# Altium PCB FMC_ADC_100M_10B_16CHA_TDC.PcbDoc (part 11 of 12) (continued)
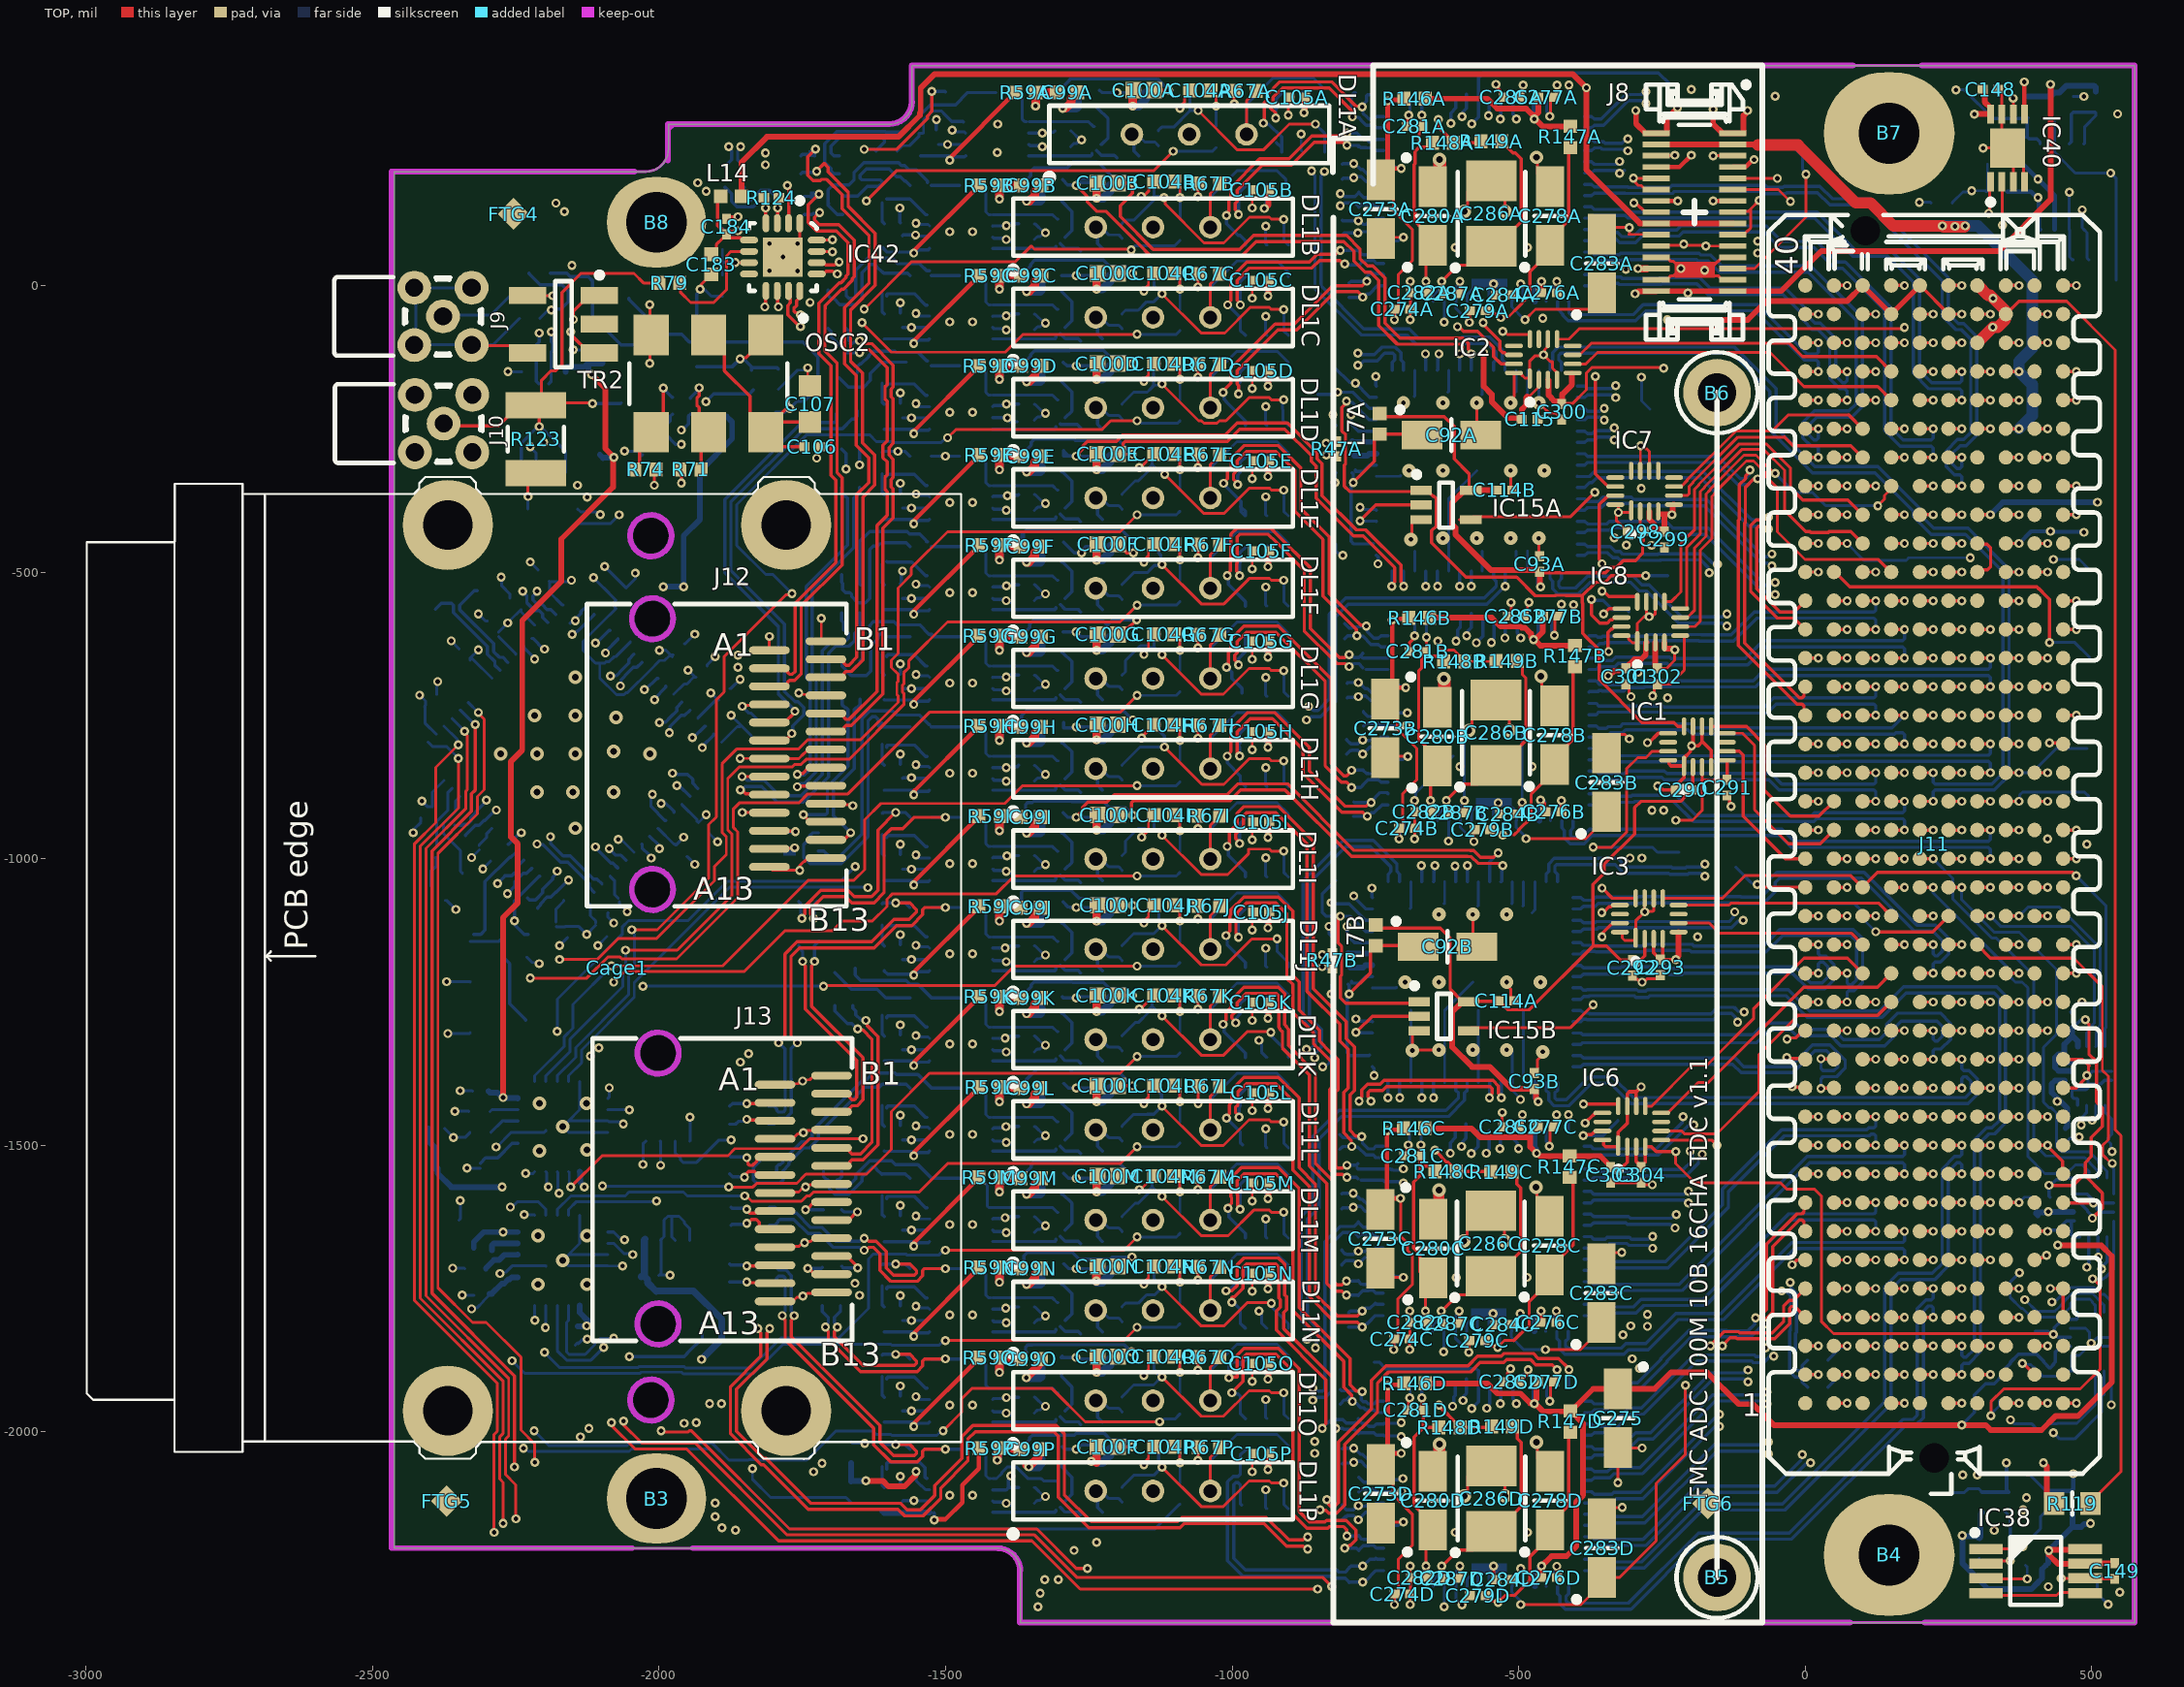
[diagram p0: TOP view]
## Nets (pads, with @x,y where several pads share a name; then routed paths per layer and width w, separated by ;. In a path a pad name is that pad's centre, name@x,y a point inside that pad or via, vN(x,y) a via of type N, cw(c..) or ccw(c..) an arc to the next point about the centre after c; other vN are vias at no path point) (continued)
  BOTTOM w5.71: v1(-2067.51,-698.68) -2066.54,-697.71 -2066.54,-687.83 -2053.41,-674.7 -2045.06,-666.35 -2038.71,-666.35 IC34.44@-2029.89,-657.52 ; R145B.2@-771.02,-742.98 -771.02,-743.77 -762.73,-752.05 -754.81,-752.05 -753.63,-753.24 -744.79,-753.24 -740.3,-748.75 -720.25,-748.75 -717.09,-745.59 -694.92,-745.59 v1@-694.25,-746.25
REFCLKB_P: IC34.43 IC50B.40 R145B.1 | length 1647
  L2 w4: v1(-2084.97,-681.23) -2085.23,-681.49 -2085.23,-692.58 -2091.39,-698.74 -2091.39,-709.51 -2054.3,-746.6 -1963.13,-746.6 -1935.8,-773.93 -1848.21,-773.93 -1840.96,-766.68 -1762.37,-766.68 -1756.25,-772.8 -1362.8,-772.8 -1341.43,-794.16 -1268.98,-794.16 -1246.62,-816.52 -1150.5,-816.52 -1109.07,-775.1 -982.88,-775.1 -976.17,-781.8 -840.98,-781.8 -820.24,-761.06 -704.43,-761.06 -697.96,-767.53 v1(-696.21,-767.53)
  BOTTOM w5.71: v1(-2084.97,-681.23) -2083.99,-680.25 -2074.11,-680.25 -2064.12,-670.26 -2052.63,-658.77 -2052.63,-652.43 IC34.43@-2043.81,-643.6 ; R145B.1@-771.02,-768.97 -766,-763.95 -744.79,-763.95 -740.3,-768.44 -708.8,-768.44 -707.97,-767.61 -699.24,-767.61 v1@-697.24,-769.61
REFCLKC_N: IC34.50 IC50C.41 R145C.2 | length 2840.5
  L3 w4: v1(-1982.03,-780.23) -1982.29,-780.5 -1993.38,-780.5 -1996.9,-784.01 -1996.9,-794.38 -1932.98,-858.3 -1932.98,-929.06 -1913.53,-948.5 -1913.53,-1615.52 -1896.03,-1633.02 -1896.03,-1942.74 -1891.11,-1947.66 v1(-1891.11,-1950.84)
  L2 w4: v1(-1891.11,-1950.84) -1891.11,-1954.02 -1896.03,-1958.94 -1896.03,-1966 -1840.65,-2021.38 -1725.7,-2021.38 -1700.4,-1996.08 -1579.54,-1996.08 -1569.98,-2005.64 -1549.47,-2005.64 -1513.23,-1969.4 -1462.32,-1969.4 -1429.4,-2002.32 -1097.12,-2002.32 -1069.46,-1974.66 -931.88,-1974.66 -886.93,-1929.71 -867.54,-1929.71 -861.66,-1923.83 v1(-859.32,-1923.83)
  BOTTOM w5.71: v1(-1982.03,-780.23) -1981.05,-779.26 -1981.05,-769.38 -1968.91,-757.23 -1961.54,-749.86 -1955.19,-749.86 IC34.50@-1946.37,-741.04 ; v1(-859.32,-1923.83) -856.61,-1923.83 -851.59,-1928.85 -842.09,-1928.85 -838.26,-1925.02 -838.26,-1909.29 -837.89,-1908.93 -837.89,-1668.43 -811.03,-1641.56 -786.66,-1641.56 R145C.2@-779.81,-1634.71 ; R145C.2@-779.81,-1633.93 R145C.2@-779.81,-1634.71 ; IC50C.41@-736.62,-1639.7 -749.09,-1639.7 -753.58,-1644.18 -762.42,-1644.18 -763.6,-1643 -771.52,-1643 R145C.2@-779.81,-1634.71
REFCLKC_P: IC34.49 IC50C.40 R145C.1 | length 2862.6
  L3 w4: v1(-1999.48,-762.78) -1999.75,-763.04 -1999.75,-774.13 -2005.9,-780.29 -2005.9,-798.11 -1941.98,-862.03 -1941.98,-932.78 -1922.53,-952.23 -1922.53,-1619.25 -1905.03,-1636.75 -1905.03,-1942.62 -1911.86,-1949.45 v1(-1911.86,-1950.84)
  L2 w4: v1(-1911.86,-1950.84) -1911.86,-1952.23 -1905.03,-1959.06 -1905.03,-1969.73 -1844.38,-2030.38 -1721.98,-2030.38 -1696.67,-2005.08 -1583.27,-2005.08 -1573.71,-2014.64 -1545.74,-2014.64 -1509.5,-1978.4 -1466.05,-1978.4 -1433.13,-2011.32 -1093.4,-2011.32 -1065.73,-1983.66 -928.15,-1983.66 -883.2,-1938.71 -867.54,-1938.71 -861.66,-1944.58 v1(-859.32,-1944.58)
  BOTTOM w5.71: v1(-1999.48,-762.78) -1998.51,-761.8 -1988.63,-761.8 -1979.62,-752.79 -1969.11,-742.29 -1969.11,-735.94 IC34.49@-1960.29,-727.12 ; v1(-859.32,-1944.58) -856.61,-1944.58 -851.59,-1939.56 -837.65,-1939.56 -827.55,-1929.45 -827.55,-1913.73 -827.18,-1913.36 -827.18,-1672.87 -806.59,-1652.28 -786.66,-1652.28 -779.81,-1659.12 R145C.1@-779.81,-1659.91 -774.79,-1654.9 -753.58,-1654.9 -749.09,-1659.38 IC50C.40@-736.62,-1659.38
REFCLKD_N: IC34.59 IC50D.41 R145D.2 | length 2706.5
  L3 w4: v1(-1968.9,-872.65) -1970.94,-872.65 -1977.12,-866.48 -1984.97,-866.48 -1987.31,-868.82 -1987.31,-878.98 -1972.58,-893.71 -1972.58,-968.19 -1953.12,-987.65 -1953.12,-1202.14 -2055.51,-1304.54 -2055.51,-1372.47 -1939.4,-1488.58 -1939.4,-1751.8 -1926.14,-1765.05 -1926.14,-1840.04 -1940.47,-1854.36 -1940.47,-1909.88 -1946.75,-1916.16 -1946.75,-1946.46 -1941.74,-1951.47 -1941.74,-1967.21 -1941.23,-1967.72 -1941.23,-1975.73 -1935.14,-1981.81 v1(-1935.14,-1983.94)
  L2 w4: v1(-1935.14,-1983.94) -1932.9,-1986.19 -1932.9,-1995.09 -1928.09,-1999.9 -1922.33,-1999.9 -1843.29,-2078.93 -1839.46,-2078.93 -1783.38,-2135.01 -1549.35,-2135.01 -1544.42,-2130.08 -1409.79,-2130.08 -1397.94,-2141.93 -1189.12,-2141.93 -1174.32,-2156.74 -911.17,-2156.74 -842.32,-2087.89 -710.35,-2087.89 -703.88,-2081.41 v1(-702.13,-2081.41)
  BOTTOM w5.71: v1@-1964.26,-873.48 IC34.59@-1946.37,-891.37 ; R145D.2@-778.89,-2078.81 -778.89,-2079.6 -770.61,-2087.88 -762.69,-2087.88 -761.51,-2089.07 -752.67,-2089.07 -748.18,-2084.58 IC50D.41@-735.7,-2084.58 -734.54,-2083.41 -710.39,-2083.41
REFCLKD_P: IC34.58 IC50D.40 R145D.1 | length 2761.8
  L3 w4: v1(-1976.52,-851) -1978.25,-851 -1984.73,-857.48 -1988.69,-857.48 -1996.31,-865.09 -1996.31,-882.71 -1981.58,-897.44 -1981.58,-971.92 -1962.12,-991.38 -1962.12,-1198.42 -2064.51,-1300.81 -2064.51,-1376.19 -1948.4,-1492.31 -1948.4,-1755.53 -1935.14,-1768.78 -1935.14,-1836.31 -1949.47,-1850.63 -1949.47,-1906.15 -1955.75,-1912.44 -1955.75,-1950.19 -1950.74,-1955.2 -1950.74,-1970.94 -1950.23,-1971.45 -1950.23,-1976.77 -1956.31,-1982.85 v1(-1956.31,-1984.99)
  L2 w4: v1(-1956.31,-1984.99) -1956.31,-1988.17 -1952.59,-1991.88 -1952.59,-1992.89 -1933.1,-2012.38 -1922.57,-2012.38 -1847.02,-2087.93 -1843.18,-2087.93 -1787.11,-2144.01 -1545.62,-2144.01 -1540.69,-2139.08 -1413.52,-2139.08 -1401.66,-2150.93 -1192.85,-2150.93 -1178.05,-2165.74 -907.44,-2165.74 -838.59,-2096.89 -712.31,-2096.89 -705.84,-2103.36 v1(-704.09,-2103.36)
  BOTTOM w5.71: -1968.15,-852.98 -1950.17,-852.98 -1941.28,-861.87 -1941.28,-868.63 IC34.58@-1932.45,-877.45 ; R145D.1@-778.89,-2104.79 -773.88,-2099.78 -752.67,-2099.78 -748.18,-2104.27 IC50D.40@-735.7,-2104.27 -706.28,-2104.27 v1@-705.12,-2105.43
RF2: C113.2 J9.1 | length 130.6
  BOTTOM w5: J9.1@-2368.63,-34.07 -2350.69,-52 -2294.04,-52 -2260.36,-18.32 C113.2@-2259.37,-18.32
RF_AUX_N: IC34.29 TP24.1 | length 179.6
  BOTTOM w5.71: TP24.1@-2316.92,-532.59 -2322.3,-532.59 -2344.39,-554.68 -2344.6,-554.68 -2347.94,-558.03 -2347.94,-565.89 -2288.91,-624.93 -2288.91,-638.7 -2278.9,-648.7 -2272.56,-648.7 IC34.29@-2263.74,-657.52
RF_AUX_P: IC34.28 TP23.1 | length 184.1
  BOTTOM w5.71: TP23.1@-2390.16,-565.01 -2379.83,-554.68 -2362,-554.68 -2358.65,-558.03 -2358.65,-570.33 -2299.62,-629.37 -2299.62,-643.13 -2286.48,-656.28 -2286.48,-662.62 IC34.28@-2277.65,-671.44
RVDD33A: C278A.1 C279A.1 IC50A.23 R147A.2 | length 404.2
  TOP w5: C279A.1@-555.51,-45.13 -551.12,-49.52 -540.39,-49.52 -533.95,-55.96 -531.89,-55.96 v1(-531.04,-55.96) -518.9,-55.96 -507.09,-44.15
  TOP w5.71: -507.87,-44.15 -480.72,-17 -480.72,23.75 -457.09,47.39 C278A.1@-457.09,70.03 ; C278A.1@-441.34,70.03 -441.34,84.79 -412.81,113.32 -412.81,237.53 R147A.2@-409.84,240.5
  BOTTOM w5: v1(-531.04,-55.96) IC50A.23@-531.01,-28.31
RVDD33B: C278B.1 C279B.1 IC50B.23 R147B.2 | length 399.4
  TOP w5: C279B.1@-547.64,-950.64 -543.25,-955.03 -534.54,-955.03 -530.86,-958.72 v1(-527.95,-958.72) ; v1@-524.01,-961.47 -524.01,-959.74 -522.99,-958.72 -508.27,-958.72 -499.21,-949.66
  TOP w5.71: -500,-949.66 -478.27,-927.93 -478.27,-887.18 -449.21,-858.12 C278B.1@-449.21,-835.49 ; C278B.1@-433.46,-835.49 -433.46,-820.72 -404.94,-792.2 -404.94,-667.98 R147B.2@-401.97,-665.01
  BOTTOM w5: v1(-527.95,-958.72) -527.95,-955.81 -524.4,-952.26 -524.4,-935.1 IC50B.23@-523.1,-933.79
RVDD33C: C278C.1 C279C.1 IC50C.23 R147C.2 | length 409.8
  TOP w5: C279C.1@-556.43,-1841.59 -547.66,-1850.36 -538.8,-1850.36 v1(-536.74,-1852.42) ; v1@-532.8,-1852.41 -533.23,-1851.99 -533.23,-1848.9 -524.93,-1840.6 -508.79,-1840.6 -508,-1840.6
  TOP w5.71: -508.79,-1840.6 -481.64,-1813.45 -481.64,-1772.71 -458,-1749.07 C278C.1@-458,-1726.43 ; C278C.1@-442.25,-1726.43 -442.25,-1711.67 -404.94,-1674.35 -404.94,-1561.78 R147C.2@-410.76,-1555.96
  BOTTOM w5: v1(-536.74,-1852.42) -536.74,-1849.51 -533.19,-1845.96 -533.19,-1826.04 IC50C.23@-531.89,-1824.74
RVDD33D: C278D.1 C279D.1 IC50D.23 R147D.2 | length 390.2
  TOP w5: C279D.1@-555.51,-2286.47 -546.74,-2295.24 -537.88,-2295.24 v1(-535.83,-2297.3) ; v1@-531.89,-2297.3 -532.32,-2296.87 -532.32,-2293.79 -524.02,-2285.49 -507.09,-2285.49
  TOP w5.71: -507.88,-2285.49 -480.73,-2258.34 -480.73,-2217.59 -457.09,-2193.95 C278D.1@-457.09,-2171.31 ; C278D.1@-441.34,-2156.55 -412.81,-2128.02 -412.81,-2003.81 R147D.2@-409.84,-2000.84
  BOTTOM w5: v1(-535.83,-2297.3) -535.83,-2294.39 -532.28,-2290.84 -532.28,-2270.92 IC50D.23@-530.98,-2269.62
SCL: B15.1 IC40.6 J11.c30 R114.2 R116.1 | length 2721.3
  TOP w5: IC40.6@362.84,298.92 v1(362.84,326.48)
  TOP w5.71: J11.c30@350,-500 v1(373,-500)
  L3 w5: v1(351.01,-2053.71) 351.01,-1993.75 342.63,-1985.37 342.63,-1884.6 447.63,-1779.6 447.63,-1727.37 453.75,-1721.24 453.75,-1692.27 456.1,-1689.92 456.1,-1643.53 455.64,-1643.06 455.64,-1407.07 453.25,-1404.69 453.25,-1017.4 388.37,-952.52 388.37,-743.63 357.63,-712.88 357.63,-515.37 v1(373,-500) 343.05,-470.05 343.05,-15.96 328.7,-1.61 328.7,112.96 362.84,147.1 v1(362.84,326.48)
  BOTTOM w5: B15.1@253.52,-2108.75 256.55,-2105.72 277.77,-2105.72 284.03,-2099.46 303.07,-2099.46 R116.1@308.54,-2104.93
  BOTTOM w7: R116.1@308.54,-2104.93 R114.2@354.93,-2104.93 351.01,-2101.01 v1(351.01,-2053.71)
SDA: B14.1 IC40.5 J11.c31 R113.2 R115.1 | length 2862.7
  TOP w5.71: J11.c31@350,-450 v1(373,-450)
  TOP w7: v1(382,355) 382.26,354.74 382.26,299.18 IC40.5@382.52,298.92
  L3 w5: v1(382,355) 438.37,298.63 438.37,-417.63 428,-428.01 v1(428,-429)
  L3 w7: v1(467.56,-2073) 467.56,-1978.6 489.37,-1956.78 489.37,-1861.77 479.71,-1852.1 479.71,-1733.55 474.75,-1728.6 474.75,-1706.03 487.14,-1693.64 489.37,-1693.64 519.05,-1663.97 519.05,-1584.36 474.75,-1540.07 474.75,-1512.17 519.05,-1467.88 519.05,-463.48 v1(486.26,-430.7)
  BOTTOM w5: B14.1@386,-2075 391.79,-2075 R113.2@419.76,-2102.97
  BOTTOM w7: v1(373,-450) 394,-429 426.3,-429 428,-430.7 428.85,-429.85 485.41,-429.85 v1(486.26,-430.7) ; R113.2@419.76,-2102.97 464.05,-2102.97 467.56,-2099.46 v1(467.56,-2073)
TDC_INT0: IC2.14 IC50A.55 | length 529.3
  TOP w5.71: v1(-562,-65) -560.08,-66.92 -560.08,-70.17 -533,-97.25 -533,-111.9 -527.73,-117.17 -524.53,-117.17 -520.58,-121.13 IC2.14@-508.18,-121.13
  L3 w5.71: v1(-598.81,294.43) -598.81,201.26 -614.55,185.53 -614.55,113.12 -576.31,74.88 -576.31,-50.69 -565.15,-61.85 -565.15,-68.15 -562.51,-70.78 -562.51,-69.64 -562.02,-69.14 v1(-562,-65)
  BOTTOM w5.71: v1(-598.81,294.43) -596.89,296.35 -596.89,302.77 -590.94,308.72 IC50A.55@-590.94,333.63
TDC_INT1: IC8.12 IC50B.55 | length 445.1
  TOP w5.71: v1(-354.72,-533.52) -352.01,-533.52 -342.72,-542.81 -294.02,-542.81 -293.02,-543.81 IC8.12@-293.02,-551.76
  L2 w5.71: v1(-590.94,-611.08) -590.94,-628.71 -570.32,-649.33 -439.13,-649.33 -397.89,-608.09 -397.89,-604.04 -367.75,-573.9 -367.75,-566.81 -354.72,-553.78 v1(-354.72,-533.52)
  BOTTOM w5.71: v1(-590.94,-611.08) -589.02,-609.16 -589.02,-602.74 -583.07,-596.79 IC50B.55@-583.07,-571.88
TDC_INT2: IC6.13 IC50C.55 | length 312.9
  TOP w6: v1(-383.95,-1461.38) -383.95,-1460.56 -370.72,-1447.33 -370.09,-1447.33 -366.28,-1443.52 IC6.13@-353.96,-1443.52
  L2 w5.71: v1(-599.73,-1502.02) -579.1,-1481.39 -408.15,-1481.39 -394.16,-1467.39 -392.68,-1467.39 -386.67,-1461.38 v1(-383.95,-1461.38)
  BOTTOM w5.71: v1(-599.73,-1502.02) -597.81,-1500.1 -597.81,-1493.69 -591.86,-1487.73 IC50C.55@-591.86,-1462.83
TDC_INT3: IC4.15 IC50D.55 | length 1470.8
  L2 w5.71: v1(-597.19,-1945.27) -582.54,-1930.62 -393.16,-1930.62 -389.31,-1934.48 -202.65,-1934.48 -199.34,-1931.17 -96.04,-1931.17 -79.48,-1914.6 -30.99,-1914.6 -11.32,-1934.27 379.52,-1934.27 410.98,-1965.73 479.52,-1965.73 488.73,-1956.52 488.73,-1857.31 483.26,-1851.83 483.26,-1723.39 491.13,-1715.53 v1(491.13,-1712.81)
  BOTTOM w5.71: v1(-597.19,-1945.27) -596.9,-1944.98 -596.9,-1938.57 -590.95,-1932.62 IC50D.55@-590.95,-1907.71 ; v1(491.13,-1712.81) 491.13,-1710.1 494.8,-1706.42 IC4.15@494.8,-1659.75
TDC_INT_VADJ0: IC2.7 J11.g37 | length 585
  TOP w5: IC2.7@-405.82,-121.13 -393.58,-121.13 -373.56,-101.11 ; -373,-101 -373.46,-101 -373.56,-101.11 ; -4.13,-124.29 -27.32,-101.11 -373.56,-101.11
  TOP w5.71: -4.13,-124.29 124.29,-124.29 J11.g37@150,-150
TDC_INT_VADJ1: IC8.9 J11.h32 | length 622.6
  TOP w5: IC8.9@-245.77,-551.76 -234.34,-551.76 -217.2,-534.63 -217.2,-450.2 -193,-426 -193,-355.4 -185.75,-348.14 -185.75,-346.88 -115.17,-276.3 -68.04,-276.3 -26,-318.34 -26,-352.42 -4.2,-374.23
  TOP w5.71: -4.2,-374.23 74.23,-374.23 J11.h32@100,-400
TDC_INT_VADJ2: IC6.8 J11.g16 | length 502.5
  TOP w5: IC6.8@-251.6,-1443.52 -239.79,-1443.52 -186.94,-1390.67 -169.1,-1390.67 -2.58,-1224.16
  TOP w5.71: -2.58,-1224.16 125.84,-1224.16 J11.g16@150,-1200
TDC_INT_VADJ3: IC4.6 J11.f19 | length 709.8
  TOP w5.71: J11.f19@200,-1050 v1(223,-1050)
  BOTTOM w5: v1(223,-1050) 223,-1059.94 357.63,-1194.57 357.63,-1206.37 366.63,-1215.37 378.43,-1215.37 388.37,-1225.32 388.37,-1519.45 418.3,-1549.37 437.17,-1549.37 439.52,-1547.03 458.4,-1547.03 471.29,-1534.14 483.79,-1534.14 494.8,-1545.15 IC4.6@494.8,-1557.38
TDC_MISO: B28.1 IC9.14 IC34.24 IC50A.59 IC50B.59 IC50C.59 IC50D.59 | length 7950.6
  TOP w5: v1(-2315.36,-745.05) -2315.36,-746.65 -2305.29,-756.72 -2305.29,-879.8 -2316.88,-891.4 -2316.88,-921.82 -2385.85,-990.79 -2385.85,-1748.55 -2325.29,-1809.11 -2301.49,-1809.11 -2240.93,-1869.67 -2240.93,-1996.8 -2216.93,-2020.8 v1(-2216.93,-2053.2)
  L3 w5: v1(-1901.97,-2124.07) -1900.27,-2125.76 -1728.13,-2125.76 -1718.38,-2135.51 -1549.14,-2135.51 -1541.5,-2127.87 -1412.71,-2127.87 -1390.98,-2149.59 -1370.68,-2149.59 -1313.53,-2206.75 v1(-1275.98,-2206.75) ; v1(-504.33,-1950.84) -504.33,-1901.39 -498.93,-1895.99 -498.93,-1813.54 -512.74,-1799.73 -512.74,-1696.64 -495.62,-1679.52 -495.62,-1513.64 -500.39,-1508.87 v1(-500.39,-1505.96) ; v1(-504.33,290.5) -504.33,64.03 -481.08,40.78 -481.08,6.19 -473.63,-1.26 -473.63,-66.37 -484.27,-77.02 -484.27,-531.83 -478.48,-537.63 -475.63,-537.63 -466.63,-546.63 -466.63,-559.37 -469.27,-562.02 -469.27,-587.83 -493.7,-612.26 v1@-496.46,-612.26 ; v1@-504.02,-1502.02 -504.02,-1483.67 -478.06,-1457.71 -478.06,-1439.37 -481.63,-1435.8 -481.63,-1196.62 -471.63,-1186.62 -471.63,-958.63 -477.37,-952.88 -477.37,-896.88 -492.14,-882.11 -492.14,-801.83 -486.83,-796.51 -486.83,-627.13 -496.45,-617.51 v1(-496.45,-615.01) ; v1(358,-1979) 369,-1990 369,-2125 v1(380,-2136)
  L2 w5: v1(-2216.93,-2053.2) -2050.62,-2053.2 -2036.34,-2038.93 -1972.33,-2038.93 -1927.07,-2084.19 -1927.07,-2102.91 -1909.81,-2120.17 ; v1(-1275.98,-2206.75) -1259.86,-2222.87 -1042.91,-2222.87 -1036.07,-2229.71 -808.7,-2229.71 -786.11,-2207.12 -232.04,-2207.12 -164.66,-2139.74 95.73,-2139.74 108.28,-2127.2 187.55,-2127.2 196.35,-2136 v1(380,-2136) ; v1(-504.33,-1950.84) -488.96,-1966.21 -316.77,-1966.21 -295.39,-1944.83 -198.36,-1944.83 -197.63,-1944.11 -95.39,-1944.11 -73.04,-1966.45 278.29,-1966.45 288.12,-1956.63 335.63,-1956.63 v1(358,-1979)
  BOTTOM w5: IC34.24@-2333.33,-727.12 v1(-2315.36,-745.05) ; v1(358,-1979) 365.16,-1986.16 395.53,-1986.16 403.8,-1994.43 418.15,-1994.43 426.6,-1985.98 439.34,-1985.98 440.16,-1985.16 473.73,-1985.16 505.81,-1953.07 IC9.14@505.81,-1894
  BOTTOM w5.71: IC50C.59@-512.21,-1474.34 -512.21,-1485.86 -502.31,-1495.75 -502.31,-1504.04 v1(-500.39,-1505.96) ; IC50D.59@-511.29,-1919.23 -510.13,-1920.39 -510.13,-1942.33 -504.33,-1948.13 v1(-504.33,-1950.84) ; IC50A.59@-511.29,322.11 -510.12,320.95 -510.12,299.01 -504.33,293.21 v1(-504.33,290.5) ; IC50B.59@-503.42,-583.4 -502.25,-584.57 -502.25,-606.5 -496.45,-612.3 v1(-496.45,-615.01)
TDC_MOSI: B27.1 IC4.12 IC34.23 IC50A.58 IC50B.58 IC50C.58 IC50D.58 | length 8396
  TOP w5: v1(324,-1972) 324,-1947.58 346.58,-1924.99 480.05,-1924.99 514.36,-1890.68 514.36,-1745.12 502.26,-1733.01 v1(501.19,-1733.01)
  TOP w5.71: v1(-2320.66,-765.8) -2320.66,-880.53 -2327.23,-887.11 -2327.23,-917.53 -2396.2,-986.5 -2396.2,-1758.38 -2252.03,-1902.55 -2252.03,-2011.5 -2252.36,-2011.83 v1(-2252.36,-2061.08)
  L3 w5: v1(-531.89,-1950.84) -559.99,-1922.74 -559.99,-1675.12 -541.05,-1656.19 -541.05,-1538.72 -532.8,-1530.47 v1(-532.8,-1505.96) -566.5,-1472.27 -566.5,-1361.39 -540.38,-1335.26 -540.38,-1046.03 -509.37,-1015.03 -509.37,-804.92 -496.83,-792.37 -496.83,-642.2 v1(-524.01,-615.01) -500.4,-591.39 -500.4,-561.95 -497.88,-559.44 -497.88,-507.94 -533.49,-472.34 -533.49,-196.78 -502.63,-165.92 -502.63,-68.12 -505.67,-65.07 -505.67,-9.43 -518.32,3.22 -518.32,85.85 -543.33,110.86 -543.33,279.06 v1(-531.89,290.5) ; v1(324,-1972) 324,-2163.17 329.92,-2169.09 v1(329.92,-2172)
  L3 w5.71: v1(-1901.97,-2147.69) -1879.3,-2147.69 -1877.19,-2145.58 -1722.95,-2145.58 -1722.67,-2145.86 -1544.85,-2145.86 -1537.21,-2138.22 -1417,-2138.22 -1395.27,-2159.95 -1374.97,-2159.95 -1303.55,-2231.38 v1(-1303.55,-2257.93)
  L2 w5: v1(-531.89,-1950.84) -506.52,-1976.21 -312.63,-1976.21 -291.24,-1954.83 -194.22,-1954.83 -193.49,-1954.11 -99.53,-1954.11 -71.94,-1981.7 237.29,-1981.7 259.06,-2003.47 292.53,-2003.47 320.49,-1975.51 v1@323.06,-1975.51
  L2 w5.71: v1(-2252.36,-2061.08) -2231.3,-2061.08 -2223.44,-2068.93 -2109.86,-2068.93 -2104.48,-2063.56 -2046.33,-2063.56 -2032.05,-2049.28 -1976.62,-2049.28 -1937.42,-2088.48 -1937.42,-2112.23 v1(-1901.97,-2147.69) ; v1(-1303.55,-2257.93) -1062.21,-2257.93 -1058.29,-2254.01 -819.67,-2254.01 -796.08,-2277.59 -762.44,-2277.59 -736.42,-2251.57 -505.38,-2251.57 -502.97,-2253.97 -234.85,-2253.97 -146.26,-2165.38 101.04,-2165.38 118.54,-2147.88 173.97,-2147.88 191.48,-2165.38 267.37,-2165.38 267.48,-2165.27 293.98,-2165.27 300.71,-2172 v1@329.23,-2172
  BOTTOM w5: v1(324,-1972) 324,-1969.09 338.73,-1954.36 B27.1@338.73,-1945.58 ; v1(501.19,-1733.01) 502.11,-1733.94 519.06,-1733.94 522.1,-1730.9 523.37,-1730.9 538.1,-1716.16 IC4.12@538.1,-1632.19
  BOTTOM w5.71: IC34.23@-2347.25,-741.04 -2346.34,-741.04 -2321.58,-765.8 v1(-2320.66,-765.8) ; v1(-532.8,-1505.96) -532.35,-1505.5 -532.35,-1474.8 IC50C.58@-531.89,-1474.34 ; v1(-531.89,-1950.84) -531.43,-1950.38 -531.43,-1919.68 IC50D.58@-530.98,-1919.23 ; v1(-531.89,290.5) -531.43,290.95 -531.43,321.66 IC50A.58@-530.97,322.11 ; v1(-524.01,-615.01) -523.56,-614.56 -523.56,-583.86 IC50B.58@-523.1,-583.4
TDC_PAR0: IC2.15 IC50A.54 | length 559.5
  TOP w5.71: v1(-607,-72) -604.28,-72 -596.04,-80.25 -571.74,-80.25 -543.71,-108.27 -543.71,-123.96 -530.8,-136.87 IC2.15@-508.18,-136.87
  L3 w5.71: v1(-618.5,282.62) -618.5,196.72 -625.26,189.96 -625.26,108.68 -587.02,70.44 -587.02,0.52 -607,-19.46 v1(-607,-72)
  BOTTOM w5.71: v1(-618.5,282.62) -618.5,300.85 -609.72,309.64 IC50A.54@-609.72,322.11
TDC_PAR1: IC8.13 IC50B.54 | length 400.1
  TOP w5.71: v1(-352.02,-573.32) -342.27,-563.58 IC8.13@-320.58,-563.58
  L2 w5.71: v1(-609.5,-620.34) -609.5,-623.06 -601.65,-630.91 -601.65,-633.15 -574.76,-660.04 -407.6,-660.04 -378.71,-631.16 -378.71,-600.02 v1(-352.02,-573.32)
  BOTTOM w5.71: v1@-606.67,-614.99 -606.67,-600.71 -601.84,-595.88 IC50B.54@-601.84,-583.4
TDC_PAR2: IC6.12 IC50C.54 | length 392
  TOP w6: v1(-387,-1428) -327.27,-1428 -326.4,-1428.87 IC6.12@-326.4,-1431.71
  L2 w5.71: v1(-619.42,-1513.83) -617.5,-1511.91 -617.5,-1497.54 -590.63,-1470.67 -414.77,-1470.67 -397.52,-1453.42 -397.52,-1440.74 -387,-1430.22 v1(-387,-1428)
  BOTTOM w5.71: v1(-619.42,-1513.83) -619.42,-1495.61 -610.63,-1486.82 IC50C.54@-610.63,-1474.34
TDC_PAR3: IC4.14 IC50D.54 | length 1659.2
  L2 w5.71: v1(-615.26,-1955.46) -568.02,-2002.7 -568.02,-2009.2 -522.7,-2054.52 -57.74,-2054.52 -26.98,-2023.76 147.91,-2023.76 203.1,-2078.95 248.81,-2078.95 293.21,-2034.54 484.33,-2034.54 549.6,-1969.27 549.6,-1725.88 520.52,-1696.8 513.21,-1696.8 v1(511.29,-1694.88)
  BOTTOM w5.71: v1(-615.26,-1955.46) -613.34,-1953.54 -613.34,-1939.18 -610.88,-1936.72 -610.88,-1920.39 IC50D.54@-609.72,-1919.23 ; IC4.14@510.55,-1659.75 510.92,-1660.12 510.92,-1694.51 v1(511.29,-1694.88)
TDC_PAR_VADJ0: IC2.6 J11.g36 | length 598.5
  TOP w5: IC2.6@-405.82,-136.87 -382.57,-136.87 -362.7,-117 -356,-117 ; -356,-116.86 -61.57,-116.86 -2.03,-176.39
  TOP w5.71: -2.03,-176.39 126.39,-176.39 J11.g36@150,-200
TDC_PAR_VADJ1: IC8.8 J11.h31 | length 648.4
  TOP w5: IC8.8@-218.21,-563.58 -208.53,-563.58 -207.2,-562.25 -207.2,-457.57 -183,-433.37 -183,-359.54 -175.75,-352.28 -175.75,-351.02 -111.03,-286.3 -72.18,-286.3 -36,-322.48 -36,-392.42
  TOP w5.71: -36,-392.42 -20.45,-407.97 -20.45,-408.47 0.62,-429.55 8.47,-429.55 9.62,-430.7 40.38,-430.7 41.53,-429.55 79.55,-429.55 J11.h31@100,-450
TDC_PAR_VADJ2: IC6.9 J11.h16 | length 507.3
  TOP w5: IC6.9@-279.16,-1431.71 -268.13,-1431.71 -196.56,-1360.13 -171.36,-1360.13 -89.84,-1278.61 -89.84,-1261.42 -1.7,-1173.28
  TOP w5.71: -1.7,-1173.28 73.28,-1173.28 J11.h16@100,-1200
TDC_PAR_VADJ3: IC4.7 J11.f20 | length 742
  TOP w5.71: J11.f20@200,-1000 v1(223,-1000)
  BOTTOM w5: v1(223,-1000) 257.63,-1034.63 257.63,-1070.51 325.62,-1138.5 333.25,-1138.5 398.37,-1203.63 398.37,-1497.12 419.88,-1518.63 440.37,-1518.63 443.33,-1521.59 487.78,-1521.59 496.55,-1530.36 496.55,-1531.15 510.55,-1545.15 IC4.7@510.55,-1557.38
TDC_SCK: B29.1 IC9.13 IC34.22 IC50A.57 IC50B.57 IC50C.57 IC50D.57 | length 8360.9
  TOP w5: v1(-2339.42,-777.61) -2339.42,-780.52 -2334.72,-785.22 -2334.72,-879.95 -2337.59,-882.82 -2337.59,-913.24 -2406.56,-982.21 -2406.56,-1762.67 -2262.39,-1906.84 -2262.39,-2007.21 -2267.74,-2012.56 -2267.74,-2074.44 -2249.93,-2092.25 v1(-2249.93,-2151.63)
  L3 w5: v1(-1890.15,-2167.38) -1887.25,-2167.38 -1877.92,-2158.05 -1875.01,-2158.05 -1872.91,-2155.94 -1840.34,-2155.94 -1825.97,-2170.31 -1379.26,-2170.31 -1327.17,-2222.41 v1(-1327.17,-2257.93) ; v1(-555.51,-1958.71) -569.99,-1944.24 -569.99,-1527.39 v1(-556.43,-1513.83) -576.5,-1493.76 -576.5,-1357.24 -551.2,-1331.95 -551.2,-949.81 -520.45,-919.06 -520.45,-799.43 -547.64,-772.24 v1(-547.64,-622.89) -545.95,-621.2 -545.95,-119.69 -512.63,-86.37 -512.63,-72.26 -515.67,-69.22 -515.67,-13.57 -528.32,-0.92 -528.32,81.71 -553.33,106.71 -553.33,295.66 v1(-552.64,296.35) ; v1(424,-2270) 424,-2229.76 440.37,-2213.39 440.37,-2011.67 432.97,-2004.26 v1(432.97,-2001.35)
  L2 w5: v1(-2249.93,-2151.63) -2066.05,-2151.63 -2034.92,-2182.75 -1971.68,-2182.75 -1956.31,-2167.38 v1(-1890.15,-2167.38) ; v1(-1327.17,-2257.93) -1299.92,-2285.17 -1031.26,-2285.17 -1026.71,-2289.72 -759.92,-2289.72 -732.13,-2261.92 -509.67,-2261.92 -507.26,-2264.33 -230.56,-2264.33 -173.35,-2207.12 -21.76,-2207.12 52.46,-2281.35 202.95,-2281.35 243.16,-2241.13 395.13,-2241.13 v1(424,-2270) ; v1(-555.51,-1958.71) -515.77,-1998.46 -451.52,-1998.46 -438.66,-2011.32 -128.42,-2011.32 -108.8,-1991.7 233.15,-1991.7 254.92,-2013.47 420.85,-2013.47 v1(432.97,-2001.35)
  BOTTOM w5: IC34.22@-2361.17,-754.96 -2361.17,-755.41 -2339.42,-777.16 v1(-2339.42,-777.61) ; v1(432.97,-2001.35) 443.96,-2012.34 B29.1@468.57,-2012.34 470.09,-2012.34 517.25,-1965.18 517.25,-1938.31 521.56,-1934 IC9.13@521.56,-1894
  BOTTOM w5.71: v1(-556.43,-1513.83) -556.43,-1511.12 -551.58,-1506.27 IC50C.57@-551.58,-1474.34 ; v1(-555.51,-1958.71) -555.51,-1956 -550.66,-1951.15 IC50D.57@-550.66,-1919.23 ; v1(-552.64,296.35) -551.65,297.34 -551.65,321.12 IC50A.57@-550.66,322.11 ; v1(-547.64,-622.89) -547.64,-620.17 -542.79,-615.32 IC50B.57@-542.79,-583.4
TDC_SSN0: B18.1 IC2.12 IC50A.56 | length 868.8
  TOP w5: v1(-528,-80) -525.09,-80 -519.73,-85.36 -481.95,-85.36 -481,-86.31 IC2.12@-481,-90
  L3 w5: v1(-581.84,282.07) -581.84,143.35 -575.57,137.08 -575.57,100.67 -564.04,89.14 -564.04,1.7 -546.63,-15.72 -546.63,-62.12 -528.74,-80 v1(-528,-80)
  BOTTOM w5.71: v1(-581.84,282.07) -581.84,282.34 -570.34,293.83 IC50A.56@-570.34,322.11 -570.34,362.04 -561.43,370.95 -256.38,370.95 B18.1@-236.37,350.93
TDC_SSN1: B9.1 IC8.14 IC50B.56 | length 465.2
  TOP w5.71: v1(-373.15,-547.58) -373.15,-574.43 -358.53,-589.05 -345.5,-589.05 -339.73,-583.28 -336.93,-583.28 -332.97,-579.32 IC8.14@-320.58,-579.32
  L2 w5.71: v1(-573.96,-623.44) -558.79,-638.62 -443.56,-638.62 -410.03,-605.08 -410.03,-599.3 -378.46,-567.74 -378.46,-562.37 -375.07,-558.98 -375.07,-549.5 v1(-373.15,-547.58)
  BOTTOM w5.71: v1(-573.96,-623.44) -573.96,-623.18 -562.47,-611.68 IC50B.56@-562.47,-583.4 ; v1(-373.15,-547.58) -371.48,-549.25 -352.99,-549.25 -336.37,-565.87 -311.49,-565.87 B9.1@-308.12,-569.24
TDC_SSN2: B10.1 IC6.15 IC50C.56 | length 378.4
  TOP w6: v1(-387.64,-1483.12) -385.77,-1481.26 -373.15,-1481.26 -370.72,-1478.82 -370.09,-1478.82 -366.28,-1475.01 IC6.15@-353.96,-1475.01
  L2 w5.71: v1(-582.76,-1514.39) -567.58,-1529.56 -426.72,-1529.56 -408.14,-1510.98 -408.14,-1503.62 v1(-387.64,-1483.12)
  BOTTOM w5.71: v1(-582.76,-1514.39) -582.76,-1514.12 -571.26,-1502.63 IC50C.56@-571.26,-1474.34 ; v1(-387.64,-1483.12) -353.02,-1483.12 B10.1@-326.9,-1457
TDC_SSN3: B21.1 IC4.13 IC50D.56 | length 1751
  L2 w5.71: v1(-581.84,-1959.27) -497.31,-2043.8 -146.26,-2043.8 -104.51,-2002.06 228.86,-2002.06 250.63,-2023.83 436.57,-2023.83 529.73,-1930.67 529.73,-1728.26 v1(517,-1715.53)
  BOTTOM w5.71: B21.1@-752.36,-1878.42 -743.39,-1878.42 -732.19,-1889.62 -574.16,-1889.62 -570.35,-1893.43 IC50D.56@-570.35,-1919.23 -570.35,-1947.51 -581.84,-1959 v1(-581.84,-1959.27) ; v1(517,-1715.53) 517,-1712.81 527.02,-1702.79 527.02,-1685.93 526.29,-1685.21 IC4.13@526.29,-1659.75
TDI: J11.d30 J11.d31 | length 86.5
  TOP w5.71: J11.d30@300,-500 303.86,-496.14 317.69,-496.14 323.47,-490.36 323.47,-458.12 316.89,-451.54 301.54,-451.54 J11.d31@300,-450
TEMP_ALARM: IC38.3 IC39.3 J8.9 R105.1 | length 6609.9
  TOP w5: J8.9@-126.38,186.95 -126.33,186.9 -48.79,186.9 v1(-48.74,186.85) ; IC38.3@315.43,-2255.52 316.41,-2256.51 v1(387.28,-2256.51)
  L3 w5: v1(-1874.26,-1490.76) -1866.54,-1498.48 -1866.54,-1562.95 -1862.97,-1566.52 -1862.97,-1579.26 -1866.54,-1582.82 -1866.54,-1632.59 -1874.78,-1640.83 -1874.78,-1949.48 -1723.5,-2100.76 -1580.9,-2100.76 -1569.9,-2089.76 -1550.64,-2089.76 -1541.34,-2080.47 -1440.69,-2080.47 -1428.96,-2092.2 -1383.68,-2092.2 -1347.7,-2128.18 -1301.36,-2128.18 v1(-1236.73,-2192.81) ; v1(-52.35,330.3) -50.54,328.5 -50.54,188.65 v1(-48.74,186.85) ; v1(386,-2115) 386,-2117.91 395.37,-2127.28 395.37,-2205.76 387.28,-2213.85 v1(387.28,-2256.51)
  L2 w5: v1(-1236.73,-2192.81) -1216.67,-2212.87 -1038.77,-2212.87 -1031.93,-2219.71 -856.93,-2219.71 -814.98,-2177.76 -814.98,-2175.32 -805.98,-2166.31 -788.81,-2166.31 -762.31,-2192.81 -239.78,-2192.81 -176.7,-2129.74 91.59,-2129.74 104.13,-2117.2 191.69,-2117.2 200.5,-2126 368.26,-2126 373.63,-2120.63 377.7,-2120.63 383.32,-2115 v1(386,-2115) 447.3,-2115 559.96,-2002.34 559.96,-1593.77 506.57,-1540.38 506.57,-1499.95 515.93,-1490.59 515.93,-1450.16 506.57,-1440.81 506.57,-715.73 525.4,-696.9 525.4,153.6 461.05,217.95 354.31,217.95 240.18,332.08 -50.57,332.08 v1(-52.35,330.3)
  BOTTOM w5: IC39.3@-1971.97,-1492.73 -1971.97,-1513.4 -1962.74,-1522.63 -1962.74,-1525.36 -1958.35,-1529.76 -1934.42,-1529.76 -1895.42,-1490.76 v1(-1874.26,-1490.76) ; R105.1@384.33,-2232.89 387.28,-2235.84 v1(387.28,-2256.51)
TRIG_DIR: IC5.15 IC41.2 IC41.3 | length 4534.4
  L3 w5: v1(-2224.8,-281.55) -2224.8,-221.99 -2166.86,-164.04 -2166.86,-89.58 -2169.31,-87.13 -2169.31,-74.4 -2166.86,-71.95 -2166.86,-61.75 -2166.95,-61.66 -2166.95,-48.93 -2166.86,-48.84 -2166.86,20.1 v1(-2152.01,34.94) ; v1(-313,28) -313,-350.74 -296.63,-367.12 -296.63,-482.87 -299.37,-485.62 -299.37,-601.37 -292,-608.74 v1(-292,-675) ; v1(423,-965.41) 460.15,-965.41 488.37,-993.63 488.37,-1206.37 463.25,-1231.49 463.25,-1316.02 463.63,-1316.39 463.63,-1400.92 488.37,-1425.67 488.37,-1445.74 483.34,-1450.77 483.34,-1462.69 v1(481.44,-1464.59)
  L2 w5: v1(-2152.01,34.94) -2143.33,43.63 -1910.46,43.63 -1874.14,79.94 -1822.18,79.94 -1813.7,88.42 -1746.84,88.42 -1742.64,84.21 -1714.36,84.21 -1703.61,94.96 -1690.88,94.96 -1667.77,71.85 -1462.08,71.85 -1454.96,64.73 -1236.54,64.73 -1217.06,84.21 -1159.03,84.21 -1149.31,74.49 -933.24,74.49 -931.38,76.34 -715.32,76.34 -666.98,28 v1(-313,28) ; v1(-292,-675) -199.44,-675 -59.06,-815.37 24.26,-815.37 57.63,-848.74 57.63,-856.37 116.63,-915.37 174.26,-915.37 204.01,-945.12 204.01,-952.75 216.67,-965.41 v1(423,-965.41)
  BOTTOM w5: v1(-2224.8,-281.55) -2224.8,-282.38 -2214.35,-292.83 -2214.35,-325.67 IC41.3@-2213.98,-326.04 -2213.98,-342.77 -2209.59,-347.16 -2192.78,-347.16 -2189.37,-343.75 IC41.2@-2189.37,-332.73 ; v1(481.44,-1464.59) 483.07,-1462.96 483.07,-1450.65 491.13,-1442.6 IC5.15@491.13,-1430.18